# Altium PCB SystemV1.PcbDoc (part 2 of 3)
Units mm, origin at the board's own origin, x right, y up, seen from the top; angles counter-clockwise.
Board outline 236.09 x 95.76 mm, 4 copper layers (Top Layer, GND, VCC, Bottom Layer), stack 1.586 mm thick; 222 components, 155 nets, 787 pads, 614 vias.
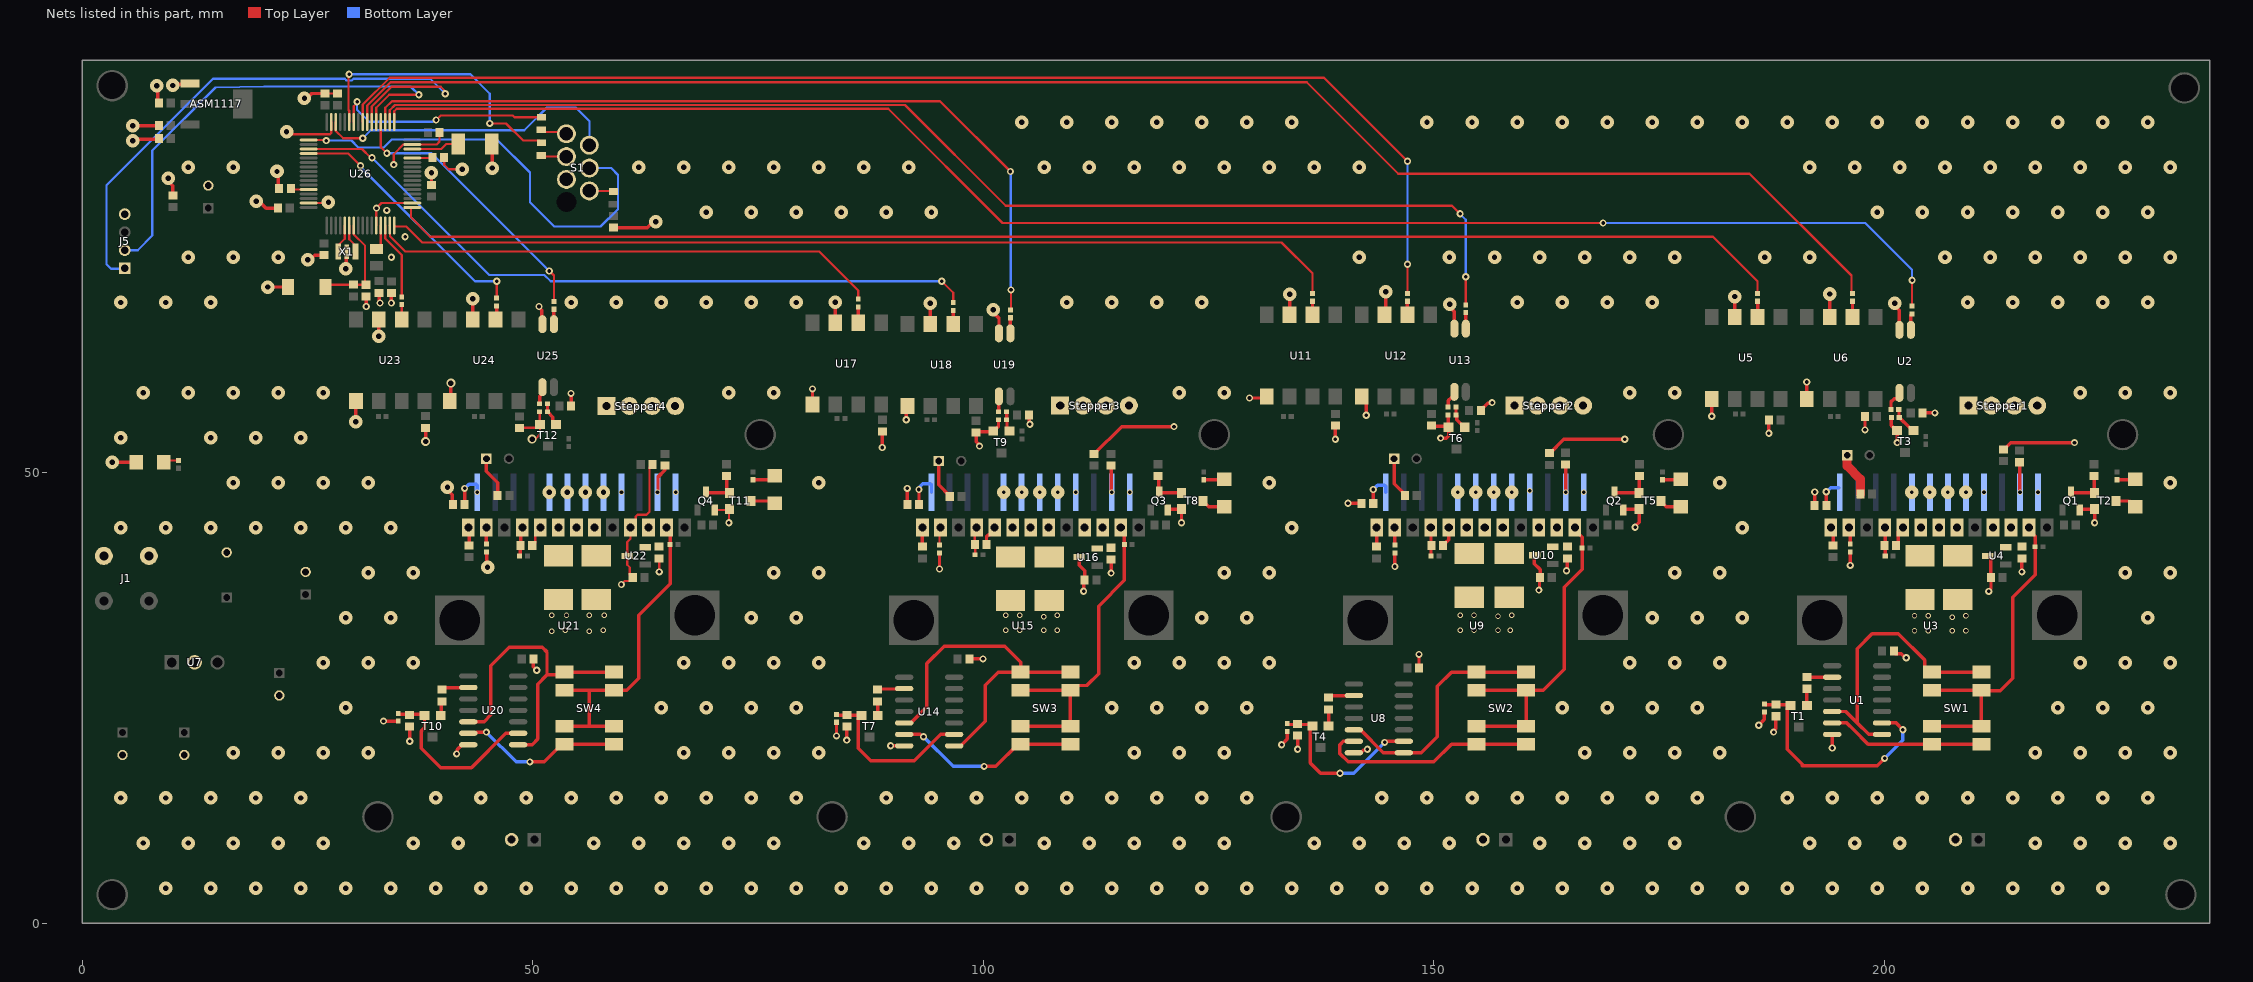
[diagram p4: the nets of this part, all layers, seen from the top]

## Via types
v1: diameter 1.5, hole 0.6, Top Layer to Bottom Layer, tented both sides, 376 vias
v2: diameter 0.8, hole 0.4, Top Layer to Bottom Layer, tented both sides, 166 vias
v3: diameter 0.6, hole 0.4, Top Layer to Bottom Layer, tented both sides, 49 vias
v4: diameter 1.5, hole 0.4, Top Layer to Bottom Layer, tented both sides, 12 vias
v5: diameter 1, hole 0.6, Top Layer to Bottom Layer, tented both sides, 7 vias
v6: diameter 1.5/1.5 (per signal layer), hole 0.4, Top Layer to Bottom Layer, tented both sides, 4 vias

## Nets (pads, with @x,y where several pads share a name; then routed paths per layer and width w, separated by ;. In a path a pad name is that pad's centre, name@x,y a point inside that pad or via, vN(x,y) a via of type N, cw(c..) or ccw(c..) an arc to the next point about the centre after c; other vN are vias at no path point) (continued)
GND: C1.1 C2.1 C3.1 C4.1 C5.1 C6.1 C7.1 C8.1 C9.1 C10.1 C11.1 C12.2 C13.2 C14.2 C15.2 C16.2 C33.1 C34.1 C35.1 C36.1 C37.1 C38.1 C39.1 C40.1 C41.1 C42.1 C43.1 C44.1 C45.1 C46.1 C47.1 C48.1 C49.1 C50.1 C51.1 C52.1 C53.1 C54.1 C55.1 C56.1 C57.1 C58.1 C59.1 C60.1 C61.1 C62.1 C63.1 C64.1 C65.1 C66.1 C68.1 C70.1 C72.1 F1.2 F2.2 F3.2 F4.2 J1.1 J1.2 LED2.2 Q1.2 Q2.2 Q3.2 Q4.2 R3.2 R11.2 R14.2 R15.1 R16.1 R26.2 R31.2 R32.1 R33.1 R41.2 R46.2 R52.2 R53.1 R54.1 R62.2 R67.2 R72.2 R73.1 R74.1 R82.2 T2.E T3.E T5.E T6.E T8.E T9.E T11.E T12.E U1.7 U3.2 U3.7 U3.8 U3.13 U3.17 U4.3 U5.5 U6.5 U7.2 U8.7 U9.2 U9.7 U9.8 U9.13 U9.17 U10.3 U11.5 U12.5 U14.7 U15.2 U15.7 U15.8 U15.13 U15.17 U16.3 U17.5 U18.5 U20.7 U21.2 U21.7 U21.8 U21.13 U21.17 U22.3 U23.5 U24.5 | length 193.6
  Top Layer w0.25: C64.1@48.514,54.961 48.55,54.997 50.403,54.997 T12.E@50.778,55.372 ; v5(49.911,53.721) 50.248,53.721 50.778,54.251 T12.E@50.778,55.372 ; C61.1@49.926,41.91 50.251,42.235 50.251,43.064 50.829,43.642 U21.17@50.829,43.942 ; R82.2@50.748,56.769 50.748,55.402 T12.E@50.778,55.372 ; v2(59.817,37.592) 60.204,37.979 60.75,37.979 61.075,38.304 C59.1@61.075,38.354 60.75,38.679 60.75,39.495 60.468,39.777 U22.3@60.468,40.767 60.468,42.307 60.833,42.672 60.833,43.938 U21.7@60.829,43.942 61.404,44.517 61.404,45.148 61.595,45.339 62.611,45.339 62.936,45.664 62.936,50.602 C72.1@63.261,50.927 ; v2(64.008,38.989) C62.1@64.008,40.498 ; Q4.2@70.165,45.863 71.725,45.863 T11.E@71.755,45.893 ; v2(71.755,44.45) T11.E@71.755,45.893 ; T11.E@71.825,45.963 T11.E@71.755,45.893
  Top Layer w0.381: v1(3.314,51.181) LED2.2@5.588,51.181 ; v1(30.353,55.665) U23.5@30.353,57.939 ; v2(33.416,22.427) R67.2@35.052,22.427 ; v2(36.322,20.193) C56.1@36.322,21.829 ; C63.1@38.02,54.896 38.1,54.817 v5(38.1,53.467) ; v1(40.513,48.387) 40.513,48.084 41.044,47.554 41.044,46.792 40.988,46.736 C57.1@40.894,46.736 ; U24.5@40.593,58.5 40.755,58.5 40.894,58.638 v5(40.894,59.944) ; v2(41.529,18.796) 41.609,18.876 41.609,19.277 42.144,19.812 U20.7@42.824,19.812 ; R72.2@44.831,41.223 44.894,41.16 44.894,39.561 v1(44.958,39.497) ; C60.1@44.831,51.562 44.831,50.165 46.086,48.91 C58.1@46.086,47.498 ; C55.1@50.053,29.337 50.053,28.484 50.419,28.118 v2(50.419,28.067) ; C65.1@54.229,57.277 v2(54.229,58.801) ; U17.5@81.026,57.785 v2(81.026,59.309) ; v2(83.696,20.791) R46.2@83.696,22.3 ; v2(84.839,20.32) C45.1@84.839,21.829 ; v2(88.773,52.802) C52.1@88.773,54.58 ; v2(89.702,19.685) U14.7@91.211,19.685 ; v2(91.44,55.88) U18.5@91.44,57.658 ; C46.1@91.555,46.482 v2(91.555,48.26) ; C49.1@95.036,51.308 95.036,48.654 96.269,47.421 C47.1@96.269,47.371 ; v2(95.123,39.318) R52.2@95.123,41.096 ; C44.1@98.44,29.337 v2(99.949,29.337) ; v2(99.568,52.959) 99.568,53.065 99.187,53.446 C53.1@99.187,54.468 99.258,54.539 101.074,54.539 101.678,55.143 R62.2@101.678,55.88 ; C50.1@100.345,42.037 100.345,42.909 100.568,43.132 100.73,43.132 101.239,43.642 U15.17@101.239,43.942 ; C54.1@105.044,56.388 105.1,56.332 105.1,55.428 v2(105.156,55.372) ; U16.3@110.633,40.64 110.617,40.624 110.617,39.751 111.24,39.128 C48.1@111.24,38.1 ; v2(111.125,36.845) C48.1@111.125,38.354 ; C70.1@112.268,52.085 112.318,52.085 115.351,55.118 v2(121.158,55.118) ; v2(114.176,38.862) C51.1@114.176,40.371 ; Q3.2@120.457,45.863 120.557,45.963 T8.E@121.99,45.963 v2(121.99,44.454) ; v2(129.54,58.293) 131.291,58.293 U11.5@131.445,58.447 ; v2(133.096,19.812) 133.731,20.447 R26.2@133.731,21.284 ; v2(134.874,19.304) C34.1@134.874,20.813 ; v2(139.065,53.721) C41.1@139.065,55.23 ; v2(140.465,46.609) C35.1@141.974,46.609 ; U8.7@140.843,18.923 141.906,18.923 142.207,19.224 142.541,19.224 v2(142.621,19.304) ; U12.5@142.24,58.674 142.494,58.42 v2(142.494,56.388) ; C38.1@145.585,51.562 145.585,48.763 146.8,47.548 C36.1@146.8,47.498 ; v2(145.669,39.587) R31.2@145.669,41.096 ; C33.1@148.351,28.321 v2(148.351,29.83) ; C42.1@149.733,55.23 149.824,55.139 151.539,55.139 151.61,55.068 151.61,56.368 R41.2@151.589,56.388 ; v2(150.749,53.848) 151.368,53.848 151.63,54.11 T6.E@151.63,55.048 ; C39.1@151.018,41.91 151.018,41.96 151.376,42.318 151.426,42.318 151.649,42.541 U9.17@151.649,43.942 ; C43.1@155.289,57.023 155.971,57.705 156.384,57.705 v2(156.464,57.785) ; U10.3@161.198,40.828 161.163,40.793 161.163,39.878 161.786,39.255 C37.1@161.786,38.354 ; v2@161.721,37.037 C37.1@161.721,38.289 ; C68.1@162.84,52.175 162.89,52.175 164.436,53.721 v2(171.196,53.721) ; v2(164.719,39.116) 164.784,39.181 164.784,40.433 C40.1@164.849,40.498 ; Q2.2@171.003,45.863 171.103,45.963 T5.E@172.79,45.963 172.79,44.506 172.339,44.055 v2(172.339,43.942) ; v2(180.848,56.261) U5.5@180.848,58.193 ; v2(186.055,21.971) 186.693,22.609 R3.2@186.693,23.443 ; v2(187.186,54.371) C9.1@187.186,55.88 ; v2(187.706,21.209) 187.706,21.322 187.963,21.579 C2.1@187.963,22.972 ; U6.5@191.389,58.193 v2(191.389,60.071) ; C4.1@192.266,46.355 v2(192.266,47.864) ; v2(194.208,19.446) U1.7@194.208,20.955 ; v2(196.215,39.714) R14.2@196.215,41.223 ; v2(197.854,54.752) C11.1@197.854,56.261 ; R11.2@200.79,56.134 200.79,55.241 201.364,54.667 T3.E@201.414,54.667 201.418,54.663 201.418,53.344 v2(201.422,53.34) ; C1.1@200.914,30.226 201.224,29.916 201.872,29.916 202.325,29.464 v2(202.438,29.464) ; C8.1@201.31,41.91 201.549,42.149 201.549,43.432 U3.17@202.059,43.942 ; C3.1@204.231,56.642 v2(205.613,56.642) ; U4.3@211.474,40.767 211.664,40.767 211.824,40.608 C7.1@211.824,38.354 ; v2(211.582,36.83) 211.582,36.943 211.836,37.197 C7.1@211.836,38.354 ; C5.1@213.236,52.593 213.286,52.593 214.033,53.34 v2(221.107,53.34) ; v2(215.268,38.989) C10.1@215.268,40.498 ; Q1.2@221.676,45.863 221.776,45.963 T2.E@223.336,45.963 v2(223.336,44.454)
  Top Layer w1: C6.1@195.877,51.943 195.877,50.757 197.346,49.288 C66.1@197.346,47.625
  other v1: 9.233,3.899 14.233,3.899 19.233,3.899 24.233,3.899 29.233,3.899 34.233,3.899 39.233,3.899 44.233,3.899 49.233,3.899 54.233,3.899 59.233,3.899 64.233,3.899 69.233,3.899 74.233,3.899 79.233,3.899 84.233,3.899 89.233,3.899 94.233,3.899 99.233,3.899 104.233,3.899 109.233,3.899 114.233,3.899 119.233,3.899 124.233,3.899 129.233,3.899 134.233,3.899 139.233,3.899 144.233,3.899 149.233,3.899 154.233,3.899 159.233,3.899 164.233,3.899 169.233,3.899 174.233,3.899 179.233,3.899 184.233,3.899 189.233,3.899 194.233,3.899 199.233,3.899 204.233,3.899 209.233,3.899 214.233,3.899 219.233,3.899 224.233,3.899 6.733,8.899 11.733,8.899 16.733,8.899 21.733,8.899 26.733,8.899 36.733,8.899 41.733,8.899 56.733,8.899 61.733,8.899 66.733,8.899 71.733,8.899 76.733,8.899 86.733,8.899 91.733,8.899 96.733,8.899 106.733,8.899 111.733,8.899 116.733,8.899 121.733,8.899 126.733,8.899 136.733,8.899 141.733,8.899 146.733,8.899 151.733,8.899 161.733,8.899 166.733,8.899 171.733,8.899 176.733,8.899 191.733,8.899 196.733,8.899 201.733,8.899 216.733,8.899 221.733,8.899 226.733,8.899 231.733,8.899 4.233,13.899 9.233,13.899 14.233,13.899 19.233,13.899 24.233,13.899 39.233,13.899 44.233,13.899 49.233,13.899 54.233,13.899 59.233,13.899 64.233,13.899 69.233,13.899 74.233,13.899 79.233,13.899 89.233,13.899 94.233,13.899 99.233,13.899 104.233,13.899 109.233,13.899 114.233,13.899 119.233,13.899 124.233,13.899 129.233,13.899 144.233,13.899 149.233,13.899 154.233,13.899 159.233,13.899 164.233,13.899 169.233,13.899 174.233,13.899 179.233,13.899 189.233,13.899 194.233,13.899 199.233,13.899 204.233,13.899 209.233,13.899 214.233,13.899 219.233,13.899 224.233,13.899 229.233,13.899 16.733,18.899 21.733,18.899 26.733,18.899 31.733,18.899 66.733,18.899 71.733,18.899 76.733,18.899 81.733,18.899 116.733,18.899 121.733,18.899 126.733,18.899 166.733,18.899 171.733,18.899 176.733,18.899 181.733,18.899 216.733,18.899 221.733,18.899 226.733,18.899 231.733,18.899 29.233,23.899 64.233,23.899 69.233,23.899 74.233,23.899 79.233,23.899 114.233,23.899 119.233,23.899 124.233,23.899 129.233,23.899 164.233,23.899 169.233,23.899 174.233,23.899 179.233,23.899 219.233,23.899 224.233,23.899 229.233,23.899 26.733,28.899 31.733,28.899 36.733,28.899 66.733,28.899 71.733,28.899 76.733,28.899 81.733,28.899 116.733,28.899 121.733,28.899 126.733,28.899 131.733,28.899 171.733,28.899 176.733,28.899 181.733,28.899 221.733,28.899 226.733,28.899 231.733,28.899 29.233,33.899 34.233,33.899 74.233,33.899 79.233,33.899 124.233,33.899 129.233,33.899 174.233,33.899 179.233,33.899 184.233,33.899 229.233,33.899 31.733,38.899 36.733,38.899 76.733,38.899 81.733,38.899 126.733,38.899 131.733,38.899 176.733,38.899 181.733,38.899 226.733,38.899 231.733,38.899 4.233,43.899 9.233,43.899 14.233,43.899 19.233,43.899 24.233,43.899 29.233,43.899 34.233,43.899 134.233,43.899 184.233,43.899 16.733,48.899 21.733,48.899 26.733,48.899 31.733,48.899 81.733,48.899 131.733,48.899 181.733,48.899 231.733,48.899 4.233,53.899 14.233,53.899 19.233,53.899 24.233,53.899 6.733,58.899 11.733,58.899 16.733,58.899 21.733,58.899 26.733,58.899 71.733,58.899 76.733,58.899 121.733,58.899 126.733,58.899 171.733,58.899 176.733,58.899 221.733,58.899 226.733,58.899 231.733,58.899
  other v2: 161.656,36.972
  other v3: 52.07,32.385 56.261,32.385 203.343,32.455 204.867,32.455 207.534,32.455 209.058,32.455 53.594,32.512 57.785,32.512 102.489,32.512 104.013,32.512 106.68,32.512 108.204,32.512 158.496,32.512 152.929,32.537 154.453,32.537 157.12,32.537 207.534,33.979 106.68,34.036 157.12,34.061 203.343,34.106 204.867,34.106 209.058,34.106 52.07,34.163 53.721,34.163 56.261,34.163 57.912,34.163 102.489,34.163 104.013,34.163 108.204,34.163 152.929,34.188 154.453,34.188 158.644,34.188 59.829,47.842 65.829,47.842 110.239,47.842 116.239,47.842 166.649,47.842 211.059,47.842 217.059,47.842 160.655,48.006
LowPWR_1: SW1.4 SW1.5 U1.6 | length 17.5
  Top Layer w0.381: U1.6@194.208,22.225 195.834,22.225 196.596,21.463 196.599,21.463 198.186,19.876 SW1.4@205.276,19.876 SW1.5@210.776,19.876
LowPWR_2: SW2.4 SW2.5 U8.6 | length 24.5
  Top Layer w0.381: U8.6@141.122,20.193 139.957,20.193 139.576,19.812 139.576,18.81 140.479,17.907 149.99,17.907 151.959,19.876 SW2.4@154.73,19.876 SW2.5@160.23,19.876
LowPWR_3: SW3.4 SW3.5 U14.6 | length 20.9
  Top Layer w0.381: U14.6@91.211,20.955 92.981,20.955 93.235,20.701 v2(93.348,20.701) ; v2(100.079,17.399) 101.363,17.399 103.84,19.876 SW3.4@104.14,19.876 SW3.5@109.64,19.876
  Bottom Layer w0.381: v2(93.348,20.701) 96.65,17.399 v2(100.079,17.399)
LowPWR_4: SW4.4 SW4.5 U20.6 | length 18.4
  Top Layer w0.381: U20.6@42.824,21.082 43.608,21.082 43.735,21.209 v2(44.831,21.209) ; v2(49.657,17.907) 51.242,17.907 53.211,19.876 SW4.4@53.511,19.876 SW4.5@59.011,19.876
  Bottom Layer w0.381: v2(44.831,21.209) 48.133,17.907 v2(49.657,17.907)
NetC2_2: C2.2 R3.1 T1.E U1.9 | length 26.6
  Top Layer w0.381: R3.1@186.693,24.309 186.754,24.248 189.539,24.248 T1.E@189.6,24.187 189.55,24.187 189.24,23.877 189.24,23.827 189.233,23.82 189.233,19.304 190.884,17.653 190.884,17.495 199.235,17.495 v2(200.028,18.288) ; U1.9@199.746,22.225 201.298,22.225 v2(202.06,21.463)
  Bottom Layer w0.381: v2(200.028,18.288) 202.06,20.32 v2(202.06,21.463)
NetC4_2: C4.2 U3.24 | length 3.1
  Top Layer w0.381: C4.2@193.56,46.361 v2@193.56,47.873
  Bottom Layer w0.381: v2(193.554,47.879) 194.031,48.356 U3.24@194.941,48.356
NetC8_2: C8.2 R13.2 U3.19 | length 3.2
  Top Layer w0.381: U3.19@200.059,43.942 200.1,43.901 R13.2@200.1,40.767
NetC31_1: C31.1 U26.30 | length 6
  Top Layer w0.25: U26.30@36.611,85.935 39.834,85.935 40.386,86.487 C31.1@41.7,86.487 C31.1@41.236,86.951
NetC34_2: C34.2 R26.1 T4.E U8.9 | length 19.4
  Top Layer w0.381: R26.1@133.731,22.15 133.731,22.137 133.81,22.057 136.358,22.057 T4.E@136.514,21.901 136.274,21.661 136.274,17.78 137.417,16.637 v2(139.576,16.637) ; v2(144.529,20.066) 144.656,20.193 U8.9@146.66,20.193
  Bottom Layer w0.381: v2(139.576,16.637) 141.1,16.637 v2(144.529,20.066)
NetC35_2: C35.2 U9.24 | length 3.8
  Top Layer w0.381: v2(143.262,48.133) 143.268,48.127 143.268,46.615 C35.2@143.274,46.609
  Bottom Layer w0.381: v2(143.262,48.133) 143.739,48.61 144.522,48.61 144.649,48.483 U9.24@144.649,47.842
NetC39_2: C39.2 R30.2 U9.19 | length 3.2
  Top Layer w0.381: U9.19@149.649,43.942 149.681,43.91 R30.2@149.681,40.767
NetC45_2: C45.2 R46.1 T7.E U14.9 | length 19.1
  Top Layer w0.381: R46.1@83.696,23.166 83.757,23.105 86.415,23.105 T7.E@86.476,23.044 86.426,23.044 86.116,22.734 86.116,22.684 86.109,22.677 86.109,19.431 87.506,18.034 92.332,18.034 95.253,20.955 U14.9@96.749,20.955
NetC46_2: C46.2 U15.24 | length 4.3
  Top Layer w0.381: v2(92.84,48.133) 92.847,48.125 92.847,46.49 C46.2@92.855,46.482
  Bottom Layer w0.381: v2(92.84,48.133) 92.92,48.213 92.92,48.434 93.273,48.787 94.112,48.787 94.239,48.66 U15.24@94.239,47.842
NetC50_2: C50.2 R51.2 U15.19 | length 3.1
  Top Layer w0.25: R51.2@99.083,40.894 99.083,41.999 C50.2@99.045,42.037 99.045,43.748 U15.19@99.239,43.942
NetC56_2: C56.2 R67.1 T10.E U20.9 | length 20
  Top Layer w0.381: R67.1@35.052,23.293 35.052,23.28 35.131,23.2 37.806,23.2 T10.E@37.962,23.044 37.962,21.706 37.592,21.336 37.592,19.431 39.751,17.272 43.18,17.272 46.99,21.082 U20.9@48.362,21.082
NetC57_2: C57.2 U21.24 | length 4.2
  Top Layer w0.381: C57.2@42.418,46.482 v2(42.418,48.26)
  Bottom Layer w0.381: v2(42.418,48.26) 42.902,48.744 43.702,48.744 43.829,48.617 v3(43.829,47.842)
NetC61_2: C61.2 R71.2 U21.19 | length 3.3
  Top Layer w0.381: R71.2@48.514,40.767 48.57,40.823 48.57,41.854 C61.2@48.626,41.91 48.626,43.739 U21.19@48.829,43.942
NetJ2_2: J2.2 S1.1 | length 3
  Top Layer w0.25: J2.2@50.927,88.057 51.177,87.807 53.544,87.807 S1.1@53.721,87.63
NetJ3_2: J3.2 S1.2 | length 2.8
  Top Layer w0.25: J3.2@50.927,85.217 51.054,85.09 S1.2@53.721,85.09
NetJ4_1: J4.1 S1.4 | length 2.7
  Top Layer w0.25: S1.4@56.261,81.28 58.852,81.28 J4.1@58.928,81.204
NetL1_2: L1.2 U26.13 | length 2.9
  Top Layer w0.25: L1.2@33.111,75.178 U26.13@33.111,77.435
  Top Layer w0.381: L1.2@32.639,74.834 32.766,74.834 L1.2@33.111,75.178
NetLED1_1: LED1.1 R4.2 | length 2.1
  Top Layer w0.381: R4.2@225.806,49.224 227.786,49.224 LED1.1@227.838,49.276
NetLED1_2: LED1.2 T2.C | length 2.4
  Top Layer w0.381: T2.C@225.736,46.863 227.153,46.863 227.788,46.228 LED1.2@227.838,46.228
NetLED2_1: LED2.1 R21.2 | length 1.7
  Top Layer w0.25: LED2.1@9.017,51.181 9.196,51.36 R21.2@10.668,51.36
NetLED3_1: LED3.1 R24.2 | length 2.1
  Top Layer w0.381: R24.2@175.387,49.224 177.367,49.224 LED3.1@177.419,49.276
NetLED3_2: LED3.2 T5.C | length 2.5
  Top Layer w0.381: T5.C@175.19,46.863 175.19,46.813 175.775,46.228 LED3.2@177.419,46.228
NetLED4_1: LED4.1 R44.2 | length 2.3
  Top Layer w0.381: R44.2@124.46,49.224 126.694,49.224 LED4.1@126.746,49.276
NetLED4_2: LED4.2 T8.C | length 2.6
  Top Layer w0.381: T8.C@124.39,46.863 124.39,46.813 124.699,46.503 124.749,46.503 125.025,46.228 LED4.2@126.746,46.228
NetLED5_1: LED5.1 R65.2 | length 2.6
  Top Layer w0.381: R65.2@74.422,49.224 76.402,49.224 LED5.1@76.835,49.657
NetLED5_2: LED5.2 T11.C | length 2.7
  Top Layer w0.381: T11.C@74.225,46.863 76.581,46.863 LED5.2@76.835,46.609
NetQ1_3: Q1.3 R5.1 T2.B | length 4.6
  Top Layer w0.381: Q1.3@220.726,47.863 220.826,47.763 T2.B@223.336,47.763 223.301,47.798 223.301,49.607 R5.1@223.266,49.642
NetQ2_3: Q2.3 R25.1 T5.B | length 4.7
  Top Layer w0.381: Q2.3@170.053,47.863 170.153,47.763 T5.B@172.79,47.763 172.818,47.791 172.818,49.613 R25.1@172.847,49.642
NetQ3_3: Q3.3 R45.1 T8.B | length 4.4
  Top Layer w0.381: R45.1@119.38,49.642 119.443,49.578 119.443,47.926 Q3.3@119.507,47.863 119.607,47.763 T8.B@121.99,47.763
NetQ4_3: Q4.3 R66.1 T11.B | length 4.7
  Top Layer w0.381: Q4.3@69.215,47.863 69.315,47.763 T11.B@71.825,47.763 71.515,48.073 71.515,48.606 71.501,48.62 R66.1@71.501,49.642
NetR1_1: R1.1 U1.2 | length 2.8
  Top Layer w0.381: R1.1@191.389,27.32 191.396,27.313 194.2,27.313 U1.2@194.208,27.305
NetR1_2: R1.2 T1.B | length 1.8
  Top Layer w0.381: R1.2@191.389,26.02 191.394,26.015 191.394,24.193 T1.B@191.4,24.187
NetR7_1: R7.1 U2.1 | length 1.8
  Top Layer w0.381: U2.1@202.946,65.857 202.946,67.499 203.073,67.626 R7.1@203.073,67.639
NetR8_1: R8.1 R11.1 T3.B | length 3.1
  Top Layer w0.381: R8.1@201.604,57.023 201.63,56.997 201.63,56.16 R11.1@201.656,56.134 201.668,56.134 202.826,54.977 202.904,54.977 T3.B@203.214,54.667
NetR8_2: R8.2 U2.3 | length 2.4
  Top Layer w0.381: R8.2@200.738,57.023 200.738,57.865 201.081,58.208 201.436,58.208 201.676,58.447 U2.3@201.676,58.857
NetR10_1: R10.1 U3.25 | length 2.1
  Top Layer w0.381: U3.25@194.059,43.942 194.31,43.691 R10.1@194.31,41.925
NetR12_1: R12.1 U3.4 | length 3.3
  Top Layer w0.381: R12.1@215.014,51.166 215.014,47.887 v3(215.059,47.842)
NetR14_1: R14.1 U3.23 | length 1.9
  Top Layer w0.381: U3.23@196.059,43.942 196.215,43.786 R14.1@196.215,42.089
NetR15_2: R15.2 U3.11
NetR16_2: R16.2 U3.15
NetR18_1: R18.1 U5.2 | length 1.8
  Top Layer w0.381: U5.2@185.928,67.283 R18.1@185.928,69.036
NetR20_1: R20.1 U6.2 | length 1.8
  Top Layer w0.381: U6.2@196.469,67.283 R20.1@196.469,69.036
NetR22_1: R22.1 U8.2 | length 2.9
  Top Layer w0.381: R22.1@138.303,25.034 138.505,25.236 141.085,25.236 U8.2@141.122,25.273
NetR22_2: R22.2 T4.B | length 1.8
  Top Layer w0.381: R22.2@138.303,23.734 138.308,23.729 138.308,21.907 T4.B@138.314,21.901
NetR28_1: R28.1 U9.25 | length 2.1
  Top Layer w0.381: R28.1@143.637,41.798 143.637,43.93 U9.25@143.649,43.942
NetR29_1: R29.1 U9.4 | length 3.1
  Top Layer w0.381: R29.1@164.595,50.912 164.622,50.885 164.622,47.869 v3(164.649,47.842)
NetR31_1: R31.1 U9.23 | length 2
  Top Layer w0.381: U9.23@145.649,43.942 145.669,43.922 R31.1@145.669,41.962
NetR32_2: R32.2 U9.11
NetR33_2: R33.2 U9.15
NetR35_1: R35.1 U11.2 | length 1.5
  Top Layer w0.381: U11.2@136.525,67.537 R35.1@136.525,69.036
NetR37_1: R37.1 U12.2 | length 1.5
  Top Layer w0.381: U12.2@147.066,67.537 R37.1@147.066,69.036
NetR39_1: R39.1 U13.1 | length 1.8
  Top Layer w0.381: U13.1@153.543,65.984 R39.1@153.543,67.766
NetR40_1: R40.1 R41.1 T6.B | length 2.7
  Top Layer w0.381: R40.1@152.455,57.277 R41.1@152.455,56.388 152.468,56.388 152.547,56.308 152.547,55.881 153.38,55.048 T6.B@153.43,55.048
NetR40_2: R40.2 U13.3 | length 2.1
  Top Layer w0.381: R40.2@151.589,57.277 151.589,58.017 151.907,58.335 152.033,58.335 152.273,58.574 U13.3@152.273,58.984
NetR42_1: R42.1 U14.2 | length 3
  Top Layer w0.381: R42.1@88.265,25.923 88.34,25.998 91.174,25.998 U14.2@91.211,26.035
NetR42_2: R42.2 T7.B | length 1.6
  Top Layer w0.381: R42.2@88.265,24.623 88.27,24.617 88.27,23.049 T7.B@88.276,23.044
NetR48_2: R48.2 U26.28 | length 2.2
  Top Layer w0.254: U26.28@36.611,84.935 R48.2@38.819,84.935
  Top Layer w0.381: R48.2@38.819,84.935 R48.2@38.847,84.963
NetR49_1: R49.1 U15.25 | length 2.2
  Top Layer w0.381: R49.1@93.218,41.798 93.218,43.921 U15.25@93.239,43.942
NetR50_1: R50.1 U15.4 | length 3
  Top Layer w0.381: R50.1@114.176,50.785 114.208,50.753 114.208,47.874 v3(114.239,47.842)
NetR52_1: R52.1 U15.23 | length 2
  Top Layer w0.25: R52.1@95.123,41.962 95.123,43.826 U15.23@95.239,43.942
NetR53_2: R53.2 U15.11
NetR54_2: R54.2 U15.15
NetR56_1: R56.1 U17.2 | length 1.8
  Top Layer w0.381: U17.2@86.106,66.648 R56.1@86.106,68.401
NetR58_1: R58.1 U18.2 | length 1.5
  Top Layer w0.381: U18.2@96.647,66.521 R58.1@96.647,68.02
NetR60_1: R60.1 U19.1 | length 1.7
  Top Layer w0.381: U19.1@102.997,65.476 R60.1@102.997,67.206
NetR61_1: R61.1 R62.1 T9.B | length 2.3
  Top Layer w0.381: R61.1@102.544,56.769 102.581,56.731 102.581,55.918 102.619,55.88 102.619,54.886 T9.B@102.895,54.61
NetR61_2: R61.2 U19.3 | length 1.7
  Top Layer w0.381: R61.2@101.678,56.769 101.703,56.793 101.703,58.452 U19.3@101.727,58.476
NetR63_1: R63.1 U20.2 | length 3
  Top Layer w0.381: R63.1@39.878,25.923 40.08,26.125 42.787,26.125 U20.2@42.824,26.162
NetR63_2: R63.2 T10.B | length 1.6
  Top Layer w0.381: T10.B@39.762,23.044 39.82,23.102 39.82,24.565 R63.2@39.878,24.623
NetR69_1: R69.1 U21.25 | length 2.1
  Top Layer w0.381: U21.25@42.829,43.942 42.926,43.845 R69.1@42.926,41.925
NetR70_1: R70.1 U21.4 | length 3.3
  Top Layer w0.381: v3(63.829,47.842) 63.881,47.894 63.881,49.53 64.643,50.292 R70.1@64.643,50.8
NetR72_1: R72.1 U21.23 | length 1.9
  Top Layer w0.381: U21.23@44.829,43.942 44.831,43.94 R72.1@44.831,42.089
NetR73_2: R73.2 U21.11
NetR74_2: R74.2 U21.15
NetR76_1: R76.1 U23.2 | length 1.6
  Top Layer w0.25: U23.2@35.433,67.029 R76.1@35.433,68.655
NetR78_1: R78.1 U24.2 | length 1.6
  Top Layer w0.381: U24.2@45.847,67.029 45.974,67.156 R78.1@45.974,68.528
NetR80_1: R80.1 U25.1 | length 1.7
  Top Layer w0.381: U25.1@52.324,66.492 R80.1@52.324,68.147
NetR81_1: R81.1 R82.1 T12.B | length 2.7
  Top Layer w0.381: R81.1@51.614,57.658 R82.1@51.614,56.769 51.627,56.769 52.218,56.177 52.218,55.682 52.528,55.372 T12.B@52.578,55.372
NetR81_2: R81.2 U25.3 | length 2
  Top Layer w0.381: R81.2@50.748,57.658 50.748,58.496 51.054,58.802 U25.3@51.054,59.492
NetR84_2: R84.2 U26.60 | length 2
  Top Layer w0.25: R84.2@23.129,81.534 23.228,81.435 U26.60@25.111,81.435
Opt.PWR_1: SW1.1 SW1.8 U1.5 U1.8 | length 31.6
  Top Layer w0.381: U1.5@194.208,23.495 195.71,23.495 196.98,22.225 ; U1.8@199.746,20.955 198.25,20.955 196.98,22.225 ; SW1.8@210.776,27.876 SW1.1@205.276,27.876 204.976,27.876 204.467,28.385 204.467,29.216 201.552,32.131 198.631,32.131 196.98,30.48 196.98,22.225